# Allegro board visualscope2.0.brd (continued)
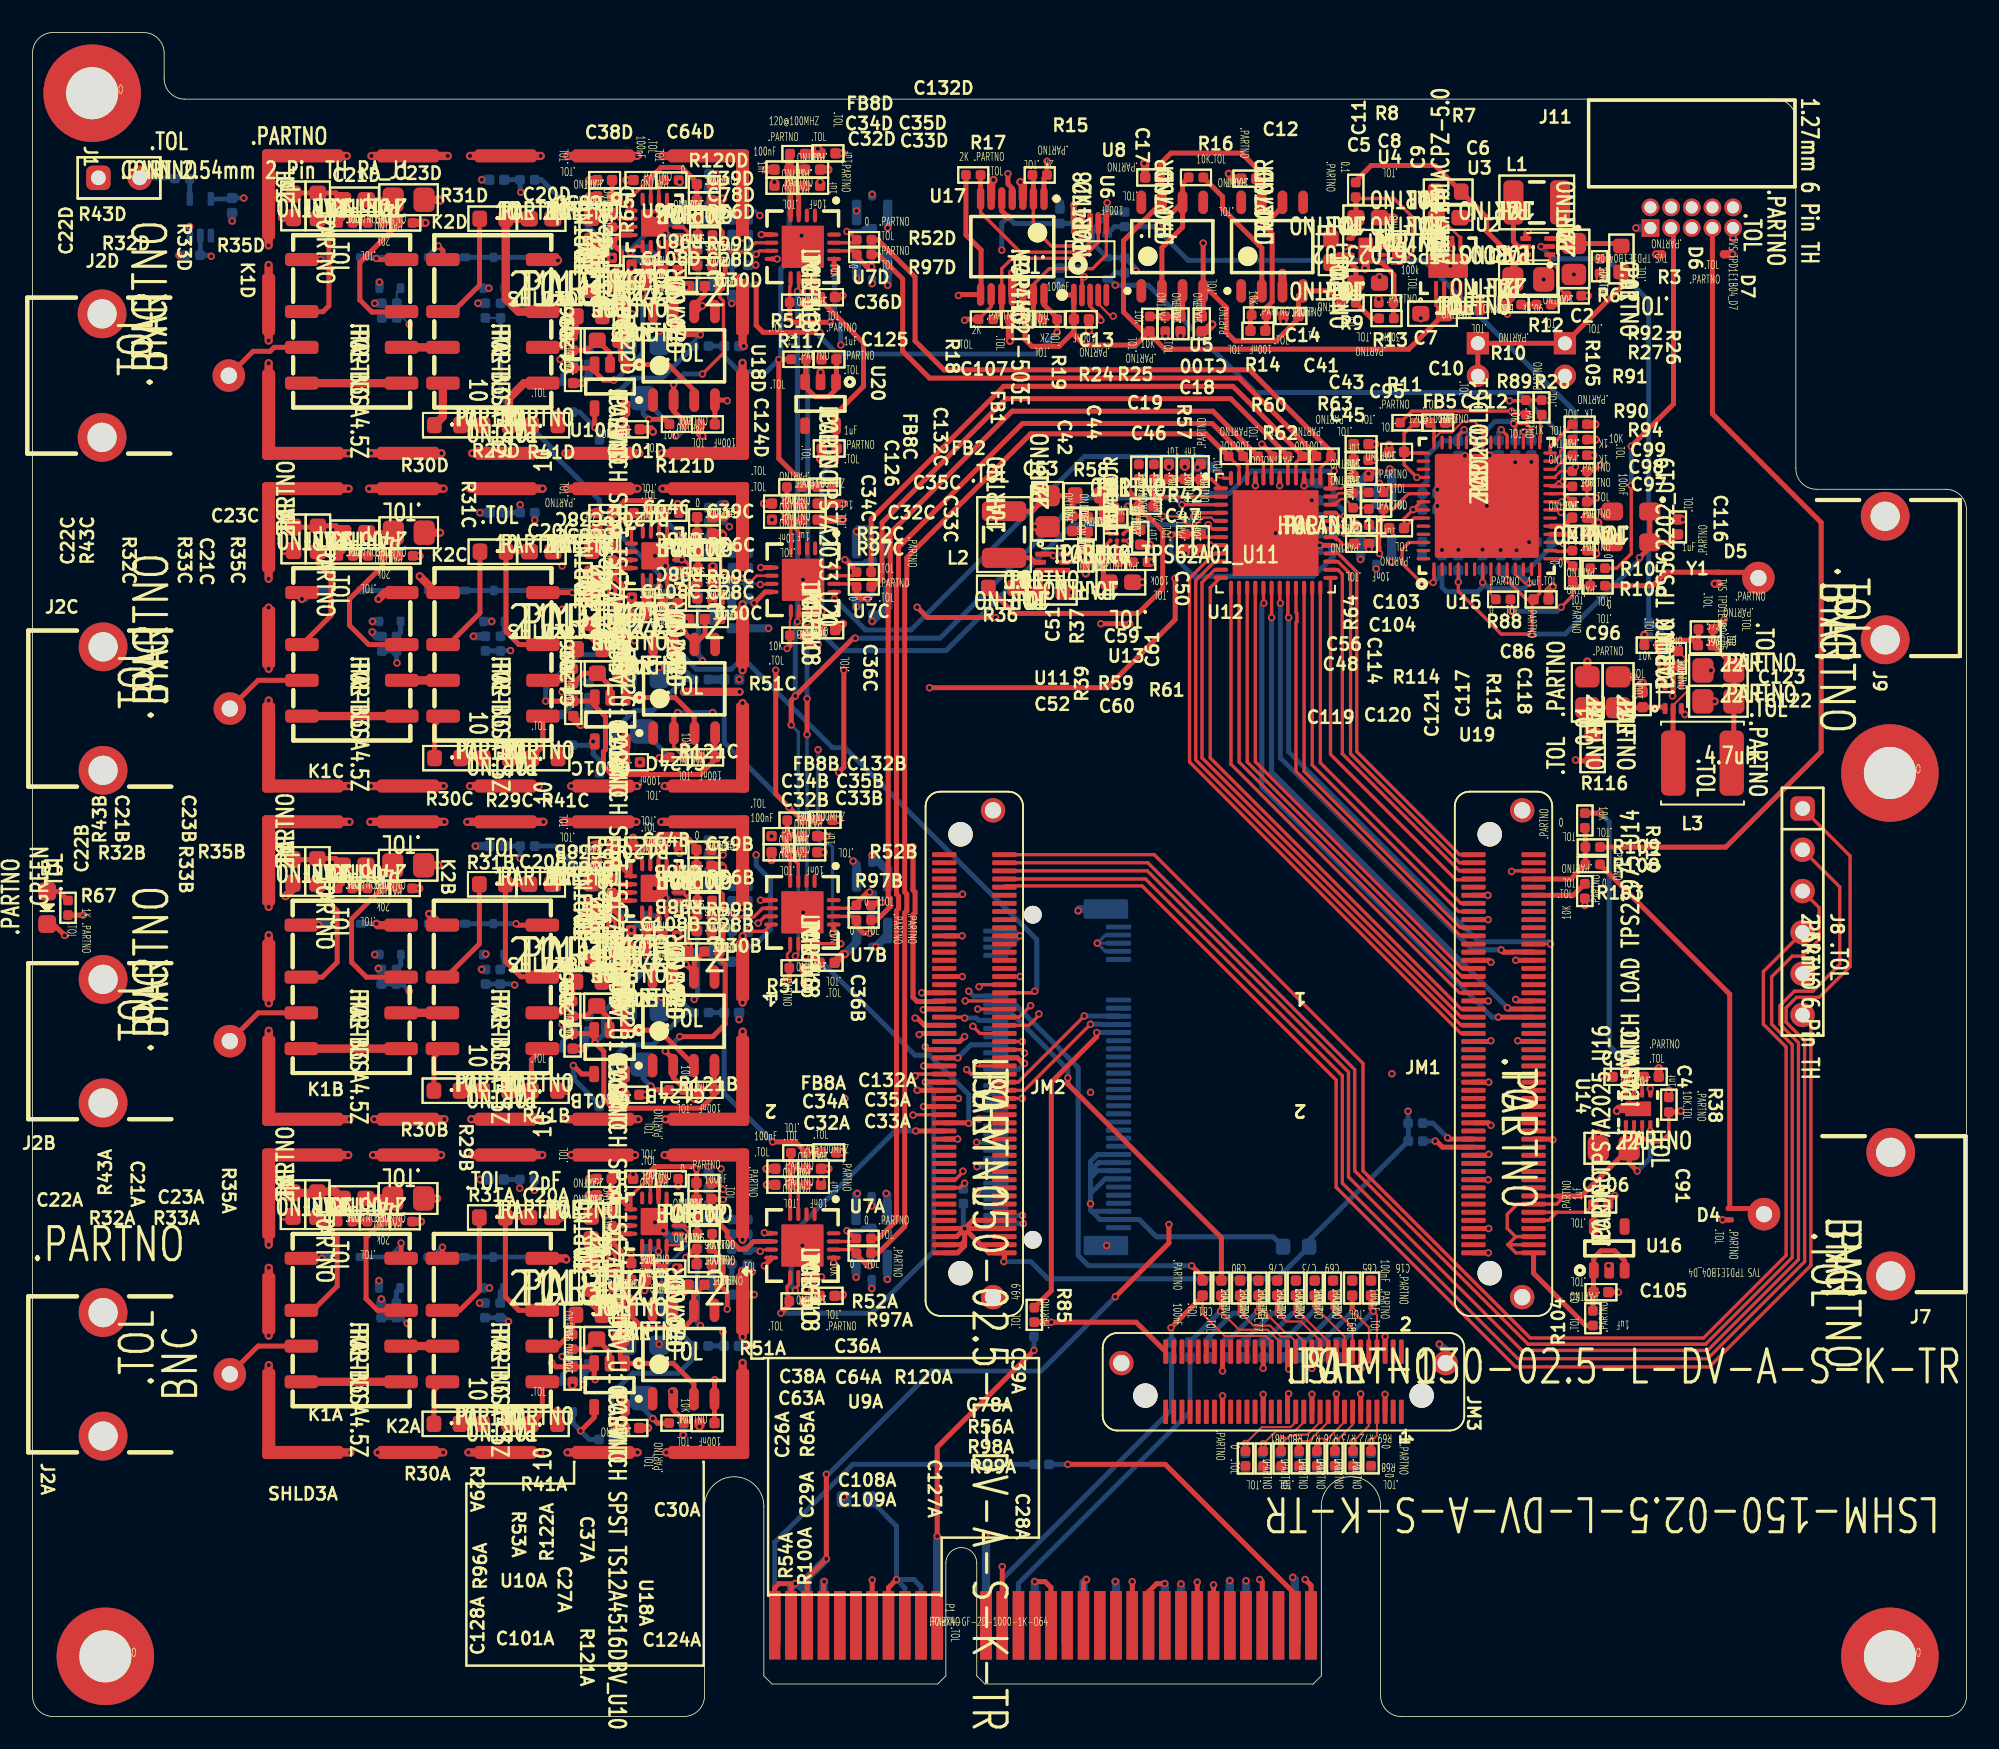
[diagram p0: board, top side]
## Nets (continued)
N00579_FRONT END_CH4: C21D.2 C22D.2 R32D.1 R43D.1
N012996_FRONT END_CH1: R55A.1 U9A.7
N012996_FRONT END_CH2: R55B.1 U9B.7
N012996_FRONT END_CH3: R55C.1 U9C.7
N012996_FRONT END_CH4: R55D.1 U9D.7
OUT_R_N_FRONT END_CH1: J3A.1(S) R97A.1 U7A.14
OUT_R_N_FRONT END_CH2: J3B.1(S) R97B.1 U7B.14
OUT_R_N_FRONT END_CH3: J3C.1(S) R97C.1 U7C.14
OUT_R_N_FRONT END_CH4: J3D.1(S) R97D.1 U7D.14
OUT_R_P_FRONT END_CH1: J4A.1(S) R52A.1 U7A.15
OUT_R_P_FRONT END_CH2: J4B.1(S) R52B.1 U7B.15
OUT_R_P_FRONT END_CH3: J4C.1(S) R52C.1 U7C.15
OUT_R_P_FRONT END_CH4: J4D.1(S) R52D.1 U7D.15
PCIE_PER_N0: C74.1
PCIE_PER_N1: C70.1
PCIE_PER_N2: C66.1
PCIE_PER_N3: C62.1
PCIE_PER_P0: C75.1
PCIE_PER_P1: C71.1
PCIE_PER_P2: C67.1
PCIE_PER_P3: C15.1
PCIE_PET_N0: R80.2
PCIE_PET_N1: R76.2
PCIE_PET_N2: R72.2
PCIE_PET_N3: R68.2
PCIE_PET_P0: R81.2
PCIE_PET_P1: R77.2
PCIE_PET_P2: R73.2
PCIE_PET_P3: R69.2
PER_N0_M.2_KEY_M: J10.42
PER_N0_PCIE_X4: P1.A17
PER_N1_M.2_KEY_M: J10.30
PER_N1_PCIE_X4: P1.A22
PER_N2_M.2_KEY_M: J10.18
PER_N2_PCIE_X4: P1.A26
PER_N3_M.2_KEY_M: J10.6
PER_N3_PCIE_X4: P1.A30
PER_P0_M.2_KEY_M: J10.44
PER_P0_PCIE_X4: P1.A16
PER_P1_M.2_KEY_M: J10.32
PER_P1_PCIE_X4: P1.A21
PER_P2_M.2_KEY_M: J10.20
PER_P2_PCIE_X4: P1.A25
PER_P3_M.2_KEY_M: J10.8
PER_P3_PCIE_X4: P1.A29
PERST#: JM3.60 R84.1 R85.1
PET_N0_M.2_KEY_M: J10.48
PET_N0_PCIE_X4: P1.B15
PET_N1_M.2_KEY_M: J10.36
PET_N1_PCIE_X4: P1.B20
PET_N2_M.2_KEY_M: J10.24
PET_N2_PCIE_X4: P1.B24
PET_N3_M.2_KEY_M: J10.12
PET_N3_PCIE_X4: P1.B28
PET_P0_M.2_KEY_M: J10.50
PET_P0_PCIE_X4: P1.B14
PET_P1_M.2_KEY_M: J10.38
PET_P1_PCIE_X4: P1.B19
PET_P2_M.2_KEY_M: J10.26
PET_P2_PCIE_X4: P1.B23
PET_P3_M.2_KEY_M: J10.14
PET_P3_PCIE_X4: P1.B27
PGA_CSN_1: JM2.43 R51A.1 U7A.9
PGA_CSN_2: JM2.53 R51B.1 U7B.9
PGA_CSN_3: JM2.63 R51C.1 U7C.9
PGA_CSN_4: JM2.68 R51D.1 U7D.9
PGOOD: JM1.29 R101.1
PROBE_COMP: JM2.65 R2.2 U1.2
PRSNT1#: P1.A1 R86.1
PRSNT2#_1: P1.B17
PRSNT2#_4: P1.B31 R86.2
REFINOUT: C96.2 R88.2 R106.2 R107.2
REFINOUT1: D5.1(K) J9.1(S) R106.1
REFINOUT2: D6.1(K) J11.3 R107.1
RESIN: JM2.17 R66.1
SCL: JM2.58 Q2.3(S) R21.1 R90.1 U15.24
SCL_5V: Q2.1 R23.1 U6.2 U17.4
SDA: JM2.56 Q1.3(S) R20.1 R91.1 U15.25
SDA_5V: Q1.1 R22.1 U6.3 U17.5
SMCLK: P1.B5
SMDAT: P1.B6
SPI_SCLK: JM2.33 U7A.11 U7B.11 U7C.11 U7D.11 U12.4
SPI_SDIO: JM2.31 U7A.10 U7B.10 U7C.10 U7D.10 U12.3
SYNC1: D4.1(K) J7.1(S) R108.1
SYNC2: D7.1(K) J11.7 R109.1
TCK: J8.4 JM2.100
TDI: J8.2 JM2.96
TDO: J8.3 JM2.98
TERM_1: JM2.41 R48A.2 R50A.2
TERM_2: JM2.51 R48B.2 R50B.2
TERM_3: JM2.61 R48C.2 R50C.2
TERM_4: JM2.66 R48D.2 R50D.2
TEST: R111.2 U15.21
TMS: J8.1 JM2.94
TRIM1: C131A.1 FB7A.1 R15.1 U17.1
TRIM2: C131B.1 FB7B.1 R17.1 U17.8
TRIM3: C131C.1 FB7C.1 R18.1 U17.9
TRIM4: C131D.1 FB7D.1 R19.1 U17.14
VOUT1: R15.2 U6.9 U17.2
VOUT2: R17.2 U6.8 U17.7
VOUT3: R18.2 U6.7 U17.10
VOUT4: R19.2 U6.6 U17.13
WAKE#: P1.B11
N00005: C96.1 U15.15
N00009: C2.2 L1.1 R3.1 U2.3
N00011: R59.1 R61.2 U13.B1
N00013: C60.2 R59.2 U13.A1(VOUT)
N00017: L1.2 U2.5
N00021: C99.1 U15.19
N00027: C4.2 U14.6
N00055: R10.1 R12.2
N00061: R12.1 R105.2 U2.1
N00069: C134.2 U7A.13 U7B.13 U7C.13 U7D.13 U12.48(VCM)
N00071: C117.2 U19.4
N00073: C117.1 L3.1 U19.2
N00081: C118.1 R113.1 R114.2 U19.6
N00103: C9.1 U4.7
N00105: C9.2 U4.8
N00107: C11.2 U4.3
N00109: R11.1 R13.2 U4.5
N00119: P1.A32
N00125: C8.2 R8.2 U4.1 U4.6
N00131: C5.2 R9.1 R11.2 U4.4(VOUT)
N00141: C6.2 R7.2 U3.5 U3.7 U3.8
N00165: P1.B12
N00175: R1.2 U1.4
N00189: R88.1 U15.8
N00205: JM2.48 R28.2 R89.1
N00207: JM2.46 R42.1 U12.2
N00213: C10.2 U3.4
N00223: C52.2 R36.2 U11.3(VIN) U11.4
N00225: J1.2 R1.1
N00227: L2.1 U11.2
N00231: P1.B30
N00253: JM1.94 R108.2 R109.2 R110.2
N00257: C51.1 R37.1 R39.2 U11.5
N00285: C59.2 R58.2 U13.A2 U13.B2
N00309: J10.53 JM2.44
N00311: J10.51 JM2.42
N00313: J10.49 R85.2
N00315: C80.1 J10.54
N00317: C81.1 J10.56
N00319: P1.A11 R84.2
N00321: C40.1 P1.A14
N00323: C79.1 P1.A13
N00365: D1.2 R67.1
N00501: C125.2 R117.2 U20.1 U20.3
N00543: C19.2 R24.1 R25.2 U8.3
N00579: C100.2 R14.1 R16.2 U5.2
N01029: C105.2 R104.2 U16.1 U16.3

Pads without a net: FB1 1 2; FB2 1 2; FB3 1 2; J10 1 7 9 11 21 23 25 27 29 31 33 35 37 39 41 43 45 47 55 57 67 68 75; JM1 3 5 8 9 11 13 15 17 18 20 21 22 23 24 26 28 31 32 34 35 36 37 38 39 40 41 42 44 45 46 47 48 49 50 51 52 56 58 66 68 70 72 75 77 80 82 84 86 88 91 92 98 100; JM2 6 9 11 12 13 14 15 16 18 20 21 22 23 24 25 26 27 28 30 32 34 36 38 67 71 72 73 74 75 76 77 78 81 82 83 84 85 86 87 88 90 91 93 95 97 99; JM3 1 2 3 4 31 33 37 38 39 40 41 42 43 44 47 48 49 50 51 52 53 54 55 56 57 58 59; R124A 1; R124B 1; R124C 1; R124D 1; U1 1; U5 1 5 8; U6 5; U7A 1 2 16; U7B 1 2 16; U7C 1 2 16; U7D 1 2 16; U8 1 5 8; U9A 9 13 16; U9B 9 13 16; U9C 9 13 16; U9D 9 13 16; U11 6; U15 2 3 5 6 9 12 13 20 34 35 37 38 40 41 44 45 52 53 55 56; U16 4; U18A 1 5 8; U18B 1 5 8; U18C 1 5 8; U18D 1 5 8; U20 4

## Via types
v1: diameter 0.457, hole 0.254, TOP to BOTTOM, 794 vias

## Routing (per net, layer and track width the routed paths; a pad name or vN(x,y) marks a point on that pad's centre or on a via; arc(x,y) is an arc through that point)
+1V8A: length 25.6
  TOP w0.152: U12.36 80.55,75.55 C45.2
  TOP w0.203: U12.32 80.19,73.55 80.72,73.02 v1(80.72,72.79) 81.24,73.31 C56.2 ; C46.2 72.54,76.13 U12.1
  TOP w0.305: C42.2 C44.2 C46.2 v1(71.88,75.69) ; v1(80.09,76.62) 79.87,76.41 U12.36 ; C41.2 C43.2 C45.2
  PWR3 w0.305: v1(80.72,72.79) 80.09,73.42 v1(80.09,76.62)
  BOTTOM w0.305: v1(80.09,76.62) 75.01,76.62 73.62,75.24 72.33,75.24 v1(71.88,75.69) ; C54.2 C55.2 v1(80.72,72.79)
+1V8APLL: length 54
  TOP w0.127: U15.31 91.73,79 v1(91.77,79.04)
  TOP w0.203: U15.49 85.43,74.73 v1(84.95,74.25) ; U15.4 87.73,69.79 v1(87.73,69.79) 87.73,69.23 90.37,66.59 v1(92.28,66.59) 92.28,68.64 C86.1 ; U15.10 v1(90.73,69.91) 91.92,68.73 C86.1 ; U15.39 87.73,78.81 v1(88.09,79.16) ; U15.14 92.73,69.1 C86.1 ; U15.50 84.97,74.23 v1(84.95,74.25) ; v1(84.95,74.25) 84.39,73.69 C114.1 85.02,73.73 U15.51 ; v1(90.37,79.16) 90.73,78.8 U15.33
  TOP w0.305: C116.1 100.75,72.23 Y1.4 ; Y1.4 99.51,71.92 v1(98.88,71.29) ; Y1.4 Y1.1
  PWR3 w0.305: v1(84.95,74.25) 84.95,72.57 v1(87.73,69.79)
  PWR4 w0.305: v1(91.77,79.04) 90.5,79.04 v1(90.37,79.16)
  BOTTOM w0.305: v1(90.37,79.16) 90.22,79.01 C84.1 88.74,78.51 v1(88.09,79.16) 88.09,79.15 87.72,78.78 C83.1 86.72,78.48 85.8,77.57 85.8,75.99 85.52,75.71 C82.1 C115.1 v1(84.95,74.25) ; v1(98.88,71.29) 98.88,71.16 94.31,66.59 v1(92.28,66.59) ; C85.1 92.23,78.58 v1(91.77,79.04) ; C87.1 90.33,70.31 v1(90.73,69.91) ; C89.1 v1(87.73,69.79)
+1V8D: length 18.4
  TOP w0.203: C48.2 80.94,72.14 v1(80.72,71.93) 80.55,72.1 80.55,72.2 80.34,72.41 80.24,72.41 80.09,72.55 U12.30 ; U12.7 72.07,72.55 C47.2
  TOP w0.305: C47.2 C50.2 70.11,72.74 v1(70.05,72.69)
  BOTTOM w0.305: v1(80.72,71.93) 80.57,71.77 C49.2 80.04,71.37 78.82,70.15 71.45,70.15 70.05,71.54 v1(70.05,72.69)
+1V92: length 7.1
  TOP w0.305: 64.13,75.1 R58.1 ; 64.13,75.1 63.98,74.95 C51.2 64.9,73.85 R37.2 ; 64.13,75.1 C53.2 61.51,74.15 L2.2
+2V5: length 6.9
  TOP w0.203: JM1.12 93.79,31.02 ; 93.79,31.02 93.29,30.52 JM1.10 ; 93.79,31.02 95.56,31.02 C106.2
  TOP w0.305: C106.2 96.07,31.47 U16.5
+3V3: length 331.6
  TOP w0.127: v1(80.72,73.83) 80.47,73.83 80.25,74.05 U12.33
  TOP w0.203: U14.8 98.04,39.26 C92.2 98.54,38.94 U14.7 ; v1(96.21,74.97) 95.97,74.73 R94.1 R90.2 R91.2 96.08,76.61 v1(96.47,77.01) ; R89.2 91.79,80.18 91.13,80.18 v1(91.01,80.31) 84.87,80.31 FB5.1 ; U13.C2 67.39,73.01 C61.2
  TOP w0.305: v1(24.97,90.47) 25.25,90.19 K2D.1 ; C61.2 68.05,73.12 68.05,74.43 ; R42.2 68.05,74.81 v1(67.39,75.48) ; R42.2 v1(67.4,74.45) ; R42.2 68.05,74.43 ; R36.1 60.39,67.86 68.02,67.86 69.54,69.39 69.54,72.94 68.05,74.43 ; C92.2 98.12,39.37 v1(98.12,40.18) ; K2A.1 v1(25.23,28.87) ; R110.1 v1(96.47,55.57) ; K1D.1 v1(17.73,89.63) ; K1A.1 v1(17.81,28.19) ; R67.2 v1(3.12,49.3)
  TOP w0.508: K2B.1 25.09,48.69 v1(24.4,49.38) ; K1B.1 v1(17.6,48.69) ; K2C.1 24.83,69.15 v1(23.82,70.15) ; K1C.1 v1(16.58,68.75)
  PWR3 w0.305: v1(67.89,88.94) 67.89,75.99 v1(67.39,75.48) ; v1(96.47,77.01) 97.36,76.12 97.36,56.46 v1(96.47,55.57) ; v1(17.73,89.63) 16.58,88.48 v1(16.58,68.75) 16.58,49.71 v1(17.6,48.69) 17.6,28.39 v1(17.81,28.19)
  PWR4 w0.203: 24.21,49.32 24.27,49.38 v1(24.4,49.38) ; 13.61,92.8 34.17,92.8 34.57,93.2 40.03,93.2 40.35,92.88 50.24,92.88 50.49,93.13 50.88,93.13 51.13,92.88 63.31,92.88 63.89,93.46 65.8,93.46 v1(66.13,93.12)
  PWR4 w0.305: v1(24.97,90.47) 23.57,89.07 18.29,89.07 v1(17.73,89.63) 16.79,89.63 v1(13,93.42) ; v1(3.12,49.3) 3.19,49.23 20.82,49.23 20.9,49.32 24.21,49.32 22.94,48.05 18.24,48.05 v1(17.6,48.69) ; v1(23.82,70.15) 18.35,70.15 16.95,68.75 v1(16.58,68.75) ; v1(67.4,74.45) 67.79,74.85 69.16,74.85 69.42,75.1 76.91,75.1 77.29,75.48 77.29,75.61 77.93,76.24 78.56,76.24 80.72,74.08 v1(80.72,73.83) 81.86,73.83 84.15,76.12 84.15,77.39 87.07,80.31 v1(91.01,80.31) 92.28,80.31 95.58,77.01 v1(96.47,77.01) ; v1(25.23,28.87) 24.54,28.19 v1(17.81,28.19)
  BOTTOM w0.127: D2D.1 17.89,89.63 v1(17.73,89.63) ; 17.98,48.69 18.01,48.72 D2B.1 17.69,48.77 v1(17.6,48.69) 17.98,48.69
  BOTTOM w0.305: R44.2 67.6,74.25 v1(67.4,74.45) ; D3D.1 24.4,89.9 v1(24.97,90.47) ; R20.2 67.14,92.5 Q1.2 ; v1(98.12,40.18) 97.02,41.28 97.02,55.03 v1(96.47,55.57) ; D3C.1 24.4,69.57 v1(23.82,70.15) ; D3B.1 v1(24.4,49.38) ; R111.1 R93.1 95.92,74.68 v1(96.21,74.97) ; v1(67.89,88.94) 67.89,89.07 67.25,89.71 R21.2 67.16,89.75 Q2.2 65.23,90.65 65.23,91.48 66.13,92.38 Q1.2 ; U1.5 12.22,93.36 C1.1 v1(13,93.42) ; v1(25.23,28.87) 24.62,28.26 D3A.1 ; C58.2 C57.2 80.72,74.14 v1(80.72,73.83) ; Q1.2 v1(66.13,93.12) ; D2C.1 17.36,69.27 16.84,68.75 v1(16.58,68.75) ; v1(17.73,89.63) 17.87,89.77 D2D.1
+3V3_IN: length 115.4
  TOP w0.127: U14.4 v1(99.54,36.01)
  TOP w0.203: U14.1 98.04,35.16 C91.2 98.54,35.25 U14.2 ; JM1.6 91.28,29.52 ; 91.28,29.52 91.25,29.52 90.74,30.03 90.74,30.89 91.37,31.52 JM1.14 93.78,31.52 94.06,31.79 93.83,32.02 JM1.16 ; 91.28,29.52 90.78,29.02 ; 57.36,30.02 v1(57.35,30.02) ; 90.78,29.02 91.28,28.52 JM1.2 ; 90.78,29.02 JM1.4
  TOP w0.305: v1(57.35,30.02) 57.35,29.25 ; v1(57.35,30.02) 56.86,29.52 JM2.5 ; v1(57.35,30.02) 57.35,30.02 JM2.7 ; v1(57.35,30.02) 58.35,29.02 ; 57.35,29.25 57.35,28.95 56.92,28.52 JM2.1 ; 57.35,29.25 57.12,29.02 JM2.3 ; 93.83,32.02 95.31,32.02 C91.2 98.24,34.06 v1(98.74,33.56) ; JM2.8 57.36,30.02 57.86,30.52 JM2.10 ; R104.1 95.57,24.05 92.36,27.26 JM1.2 ; 58.35,29.02 JM2.4 ; 58.35,29.02 58.85,28.52 JM2.2 59.8,28.02 v1(59.77,27.98)
  PWR3 w0.305: v1(49.93,13.5) 49.93,18.15 v1(59.77,27.98)
  PWR4 w0.305: v1(84.64,37.24) 96.23,37.24 97.46,36.01 v1(99.54,36.01)
  BOTTOM w0.127: R87.2 v1(49.93,13.5)
  BOTTOM w0.305: v1(57.35,30.02) 57.28,30.09 R66.2 ; v1(99.54,36.01) 99.54,34.36 v1(98.74,33.56) ; v1(59.77,27.98) 61.42,27.98 62.47,26.93 76.58,26.93 R95.2 78.55,29.3 R102.2 84.65,36.49 R101.2 v1(84.64,37.24)
+3V3_M2: length 46.4
  PWR3 w0.305: v1(65.1,31.54) 66.2,32.64 66.2,46.89 v1(65.51,47.57)
  BOTTOM w0.203: J10.71 v1(65.51,47.57) ; v1(65.51,47.57) 66.01,48.08 J10.73 ; v1(65.51,47.57) 66.01,47.08 J10.69
  BOTTOM w0.305: 65.1,33.14 65.53,33.57 J10.15 ; 65.1,33.14 65.1,32.17 ; 65.1,33.14 65.1,33.57 ; 65.18,31.08 65.68,30.57 J10.3 68.1,30.57 69.16,29.51 76.34,29.51 R95.1 ; 65.18,31.08 65.1,31.16 v1(65.1,31.54) 65.1,32.17 ; 65.18,31.08 J10.5 ; J10.13 66,33.08 65.1,32.17 ; J10.19 65.53,34.57 65.1,34.14 65.1,33.57 ; 65.1,33.57 65.6,34.08 J10.17
+3V3_PCIE: length 15.7
  TOP w0.305: v1(53.16,8.43) 52.67,7.93 P1.B8
  BOTTOM w0.305: R87.1 53.16,11.72 v1(53.16,8.43) ; v1(53.16,8.43) 53.67,7.92 P1.A9 ; v1(53.16,8.43) 54.24,8.43 54.67,7.99 P1.A10
+3V3_PGA: length 73.8
  TOP w0.203: U7D.12 48.15,87.99 48.21,87.93 48.21,87.57 C36D.2 ; U7C.12 48.16,67.15 C36C.2 ; C36A.2 48.12,26.19 U7A.12 v1(48.54,27.05) ; C36B.2 48.12,46.69 U7B.12 49.73,47.55 v1(49.73,47.54)
  TOP w0.305: C36A.2 48.12,25.56 R51A.2 ; v1(49.92,64.37) 49.92,58.4 v1(49.61,58.08) ; v1(48.34,65.96) 47.83,65.96 47.5,66.28 R51C.2 48.16,66.52 C36C.2 ; R51D.2 48.14,87 C36D.2 48.46,87.17 51.13,84.5 51.13,81.83 49.44,80.14 U20.5 49.44,78.05 C126.2 49.48,77.39 v1(49.22,77.13) ; U7C.12 v1(48.57,68.01) ; v1(47.47,45.15) R51B.2 48.12,46.06 C36B.2
  PWR3 w0.203: v1(49.73,47.54) 49.73,54.64 50.06,54.97 50.06,57.63 v1(49.61,58.08) ; v1(49.92,64.37) v1(48.34,65.96)
  PWR3 w0.305: v1(47.47,45.15) 47.47,44.98 47.57,44.87 47.57,29.76 48.54,28.79 v1(48.54,27.05)
  BOTTOM w0.305: v1(49.22,77.13) 48.57,76.48 v1(48.57,68.01)
+5V: length 218.6
  TOP w0.203: 86.86,86.31 86.36,86.81 U3.1 ; 86.86,86.31 C7.2 87.36,86.79 U3.3 ; 86.86,86.31 U3.2
  TOP w0.305: U17.12 60.94,86.09 C107.2 61.06,84.72 61.5,84.29 63.17,84.29 64.08,85.21 ; C132A.2 48.51,34.68 FB8A.2 47.57,34.72 46.94,35.35 v1(45.54,35.35) ; v1(45.73,64.37) 45.73,56.75 v1(46.56,55.92) 47.34,55.14 FB8B.2 48.28,55.14 C132B.2 ; R24.2 68.31,85.23 67.13,86.4 67.13,90.79 U8.7 69.49,94.57 C17.1 69.38,95.51 70.05,96.18 74.39,96.18 75.3,95.27 C12.1 75.64,94.27 U5.7 ; R24.2 67.89,84.37 64.72,84.37 64.08,85.01 64.08,85.21 ; R24.2 68.74,85.05 69.67,84.12 84.68,84.12 C7.2 ; 64.08,85.21 C13.2 64.07,85.97 U6.1 v1(63.19,87.46) ; R117.1 45.94,83.5 v1(45.92,83.48) 45.92,77.39 47.32,75.99 FB8C.2 48.26,75.63 C132C.2
  TOP w0.508: v1(48.32,96.45) 48.49,96.29 C132D.2 48.46,96.14 FB8D.2
  PWR3 w0.305: v1(42.49,23.67) 43.26,23.67 46.05,26.46 46.05,34.84 v1(45.54,35.35) 45.54,46.03 46.3,46.79 46.3,55.67 v1(46.56,55.92) 46.05,56.43 46.05,63.92 46.3,64.18 46.3,64.56 45.92,64.94 45.92,73.32 46.05,73.45 46.05,83.36 v1(45.92,83.48) ; v1(62.94,93.39) 63.19,93.13 v1(63.19,87.46)
  PWR4 w0.305: v1(63.19,87.46) 63.19,86.78 59.64,83.23 46.18,83.23 v1(45.92,83.48)
  BOTTOM w0.305: FB9D.1 C111D.2 42.57,83.66 43.51,82.72 45.16,82.72 v1(45.92,83.48) 46.05,83.61 46.05,89.07 46.56,89.58 46.56,94.69 v1(48.32,96.45) ; v1(42.49,23.67) 42.49,22.85 C111A.2 FB9A.1 ; v1(46.56,55.92) 42.57,59.91 C111C.2 ; v1(63.19,87.46) 63.22,87.48 R23.2 ; FB9B.1 C111B.2 42.55,38.34 v1(45.54,35.35)
  BOTTOM w0.508: FB9C.1 C111C.2 ; R22.2 63.22,93.11 v1(62.94,93.39)
+5V2: length 54.1
  TOP w0.305: v1(90.75,86.28) 90.7,86.33 R10.2 91.09,87.25 C3.2 91.09,89.14 ; R8.1 81.42,94.47 82.37,95.42 86.3,95.42 R7.1 89.48,92.23 89.48,91.36 91.09,89.75 91.09,89.14 ; v1(104.09,67.48) 103.5,66.9 R113.2 103.39,66.88 C118.2 104.68,64.62 C123.2 C122.2 104.68,58.78 L3.2 ; 91.09,89.14 U2.6
  PWR3 w0.305: v1(90.75,86.28) 94.56,86.28 104.09,76.75 v1(104.09,67.48)
+12V: length 6.6
  TOP w0.305: U19.1 100.36,62.09 C121.1 99.04,62.06 C120.2 C119.2 95.67,60.72 R116.2
+12V_PCIE: length 92.5
  TOP w0.305: P1.A3 47.67,8.52 v1(48.84,9.7) v1(48.84,14.9) ; P1.A2 46.67,7.9 v1(46.94,8.17) 45.92,8.17 45.67,7.92 P1.B1 ; v1(69.93,30.27) 69.93,29.13 v1(66.62,25.82) ; R116.1 95,58.79 v1(94.94,58.84)
  PWR3 w0.305: v1(94.94,58.84) 94.94,57.32 69.93,32.3 v1(69.93,30.27)
  BOTTOM w0.305: v1(48.84,14.9) 48.97,14.9 55.32,21.25 62.05,21.25 v1(66.62,25.82)
  BOTTOM w0.508: 47.67,7.6 P1.A3 ; 47.67,7.6 47.09,8.17 v1(46.94,8.17) 46.67,7.9 P1.A2 ; 47.67,7.6 47.67,8.52 v1(48.84,9.7)
-5V: length 129.4
  TOP w0.305: U8.4 72.03,86.23 C18.2 ; U8.4 72.43,87.7 73.48,86.66 73.48,85.13 73.99,84.63 76.52,84.63 77.89,86 C14.2 77.89,87.42 U5.4 79.8,87.7 R9.2 ; U8.4 v1(72.03,90.65)
  PWR3 w0.305: v1(29.98,32.5) 30.43,32.95 30.43,52.37 v1(30,52.79) v1(30,74.55) 30.05,74.59 v1(30.05,93.77)
  PWR4 w0.203: v1(72.03,90.65) 68.78,93.9 52.27,93.9 52.02,94.15 50.49,94.15 50.19,93.85 34.56,93.85 34.43,93.97 34.05,93.97 33.85,93.77 v1(30.05,93.77)
  BOTTOM w0.305: C133A.1 FB10A.1 v1(29.98,32.5) ; v1(30,74.55) FB10C.1 C133C.1 ; C133B.1 FB10B.1 v1(30,52.79) ; C133D.1 FB10D.1 30,93.81 v1(30.05,93.77)
GND: length 558.8
  TOP w0.127: v1(66.5,86.15) 66.34,86.15 65.57,86.91 U6.4 ; U9A.17 38.3,30.41 v1(38.3,30.4) ; C127C.1 39.61,68.51 38.84,67.73 v1(38.68,67.73)
  TOP w0.203: v1(44.14,48.43) 44.14,48.31 44.15,48.3 45.03,48.3 U7B.8 ; JM2.39 v1(56.97,38.02) ; v1(57.25,33.55) 57.25,33.49 56.78,33.02 JM2.19 ; C92.1 96.66,39.35 v1(96.6,39.41) ; JM2.70 v1(60.77,45.52) ; v1(57.35,42.97) 57.3,43.02 JM2.59 ; v1(61.42,43.73) 60.71,43.02 JM2.60 ; U13.C1 67.47,72.35 v1(67.51,72.31) ; JM2.40 v1(60.9,38.02) ; U12.8 v1(72.47,72.05)
  TOP w0.305: JM2.79 v1(57.2,48.02) ; v1(93.55,35.48) 93.5,35.52 JM1.30 ; JM1.74 v1(91.26,46.52) ; v1(92.02,91.36) 91.88,91.21 U2.4 ; JM1.54 91.44,41.52 v1(91.39,41.57) ; v1(61.67,8.3) 62.31,8.3 62.67,7.94 P1.B16 ; U7C.5 v1(44.81,70.68) ; C114.2 v1(83.47,72.73) ; v1(40.08,26.08) 40.36,26.36 C37A.1 ; U12.42 v1(76.74,75.72) ; U12.31 v1(79.32,73.05) ; C64A.1 v1(36.95,33.37) ; U7C.8 45.08,69.18 v1(44.4,68.5) ; R103.1 v1(95.52,49.89) ; v1(61.04,40.18) 60.95,40.18 60.61,40.52 JM2.50 ; P1.A4 48.67,8.25 v1(48.72,8.3) ; U11.1 62.72,71.51 v1(62.81,71.42) ; v1(42.49,32.43) 42.1,32.82 C39A.2 ; U7D.5 v1(44.84,91.17) ; v1(101.68,61.64) 101.45,61.86 U19.3 ; JM3.6 v1(83.22,23.38) ; JM1.63 v1(89.57,44.02) ; U7D.8 v1(45.82,89.67) ; P1.A18 64.67,8.25 v1(64.85,8.43) ; JM1.7 v1(89.6,30.02) ; C109D.2 v1(36.87,87.97) ; R120A.1 v1(39.73,32.65) ; JM3.46 v1(73.22,21.26) ; JM3.17 v1(80.22,19.84) ; v1(45.03,29.76) 45.07,29.72 U7A.5 ; P1.B26 v1(72.67,8.1) ; v1(77.29,21.38) 77.22,21.45 JM3.30 ; v1(42.49,31.79) 42.24,31.79 42.2,31.83 C78A.1 ; JM1.89 v1(89.55,50.52) ; P1.B22 68.67,7.68 69.16,8.17 69.67,8.17 v1(69.67,8.17) ; JM2.89 57.16,50.52 v1(57.23,50.59) ; v1(89.74,41.57) 89.69,41.52 JM1.53 ; C106.1 96.95,31.64 v1(97.36,32.05) ; U3.6 v1(87.36,90.31) ; v1(45.03,27.73) 45.45,28.14 U7A.8 ; JM3.45 v1(73.22,19.73) ; v1(36.91,86.28) 36.38,86.8 R122D.1 ; C105.1 v1(97.59,26.1) ; JM3.12 v1(81.72,21.39) ; JM3.5 v1(83.22,19.82) ; v1(89.74,46.4) 89.61,46.52 JM1.73 ; v1(71.68,76.85) 71.87,77.05 C46.1 ; U4.2 v1(80.76,90.43) ; v1(75.51,8.43) 75.67,8.27 P1.B29 ; C28A.2 v1(41.79,27.42) ; JM1.64 91.35,44.02 v1(91.26,44.11) ; JM1.25 89.55,34.52 v1(89.61,34.59) ; U7B.5 v1(44.79,50.22) ; U7D.17 47.4,90.9 47.32,90.98 v1(47.32,91.1) ; JM3.29 77.22,19.79 v1(77.29,19.86) ; C48.1 v1(82.24,71.81) ; JM2.29 v1(56.93,35.52) ; JM2.80 v1(60.75,48.02) ; JM3.24 v1(78.72,21.42) ; v1(89.74,36.37) 89.58,36.52 JM1.33 ; C127A.1 v1(39.6,27.63) ; U14.5 v1(99.54,38.63) ; C108D.1 v1(36.87,89.11) ; U12.45 v1(75.24,75.72) ; v1(96.98,27.73) 97.02,27.69 U16.2 ; JM3.23 v1(78.72,19.82) ; JM1.83 v1(89.57,49.02) ; P1.B32 78.67,8.07 v1(78.31,8.43) ; JM3.18 v1(80.22,21.39) ; C56.1 v1(82.24,73.45) ; JM2.49 v1(56.94,40.52) ; P1.B25 v1(71.67,8.26) ; U12.29 v1(79.2,72.05) ; C109A.2 v1(36.81,26.84) ; v1(35.76,25.44) 35.85,25.36 R122A.1 ; C108A.1 v1(36.84,28.43) ; JM3.35 v1(75.72,19.81) ; D4.2 v1(103.99,30.55) ; JM1.1 v1(89.58,28.52) ; JM2.69 v1(57.21,45.52) ; JM1.43 v1(89.6,39.02) ; P1.B13 v1(59.67,9.22) ; JM3.36 v1(75.72,21.42) ; JM1.19 v1(89.57,33.02) ; U12.39 v1(78.24,75.72) ; JM3.11 v1(81.72,19.84) ; P1.B21 v1(67.67,8.3) ; P1.B7 v1(51.67,8.4)
  TOP w0.381: v1(49.86,87.42) 49.76,87.32 C36D.1 ; U6.10 v1(64.07,93)
  TOP w0.508: v1(31.25,16.25) SHLD3A.6 v1(26.82,16.25) ; C128D.1 v1(33.78,82.03) ; C97.2 96.03,71.73 v1(96.21,71.54) ; v1(39.83,94.4) 39.76,94.48 R120D.1 ; v1(33.14,57.24) SHLD3C.7 v1(37.21,57.24) ; C132D.1 v1(49.85,96.17) ; C37C.1 40.24,67.35 v1(40.21,67.35) ; v1(31.14,57.24) SHLD3C.6 v1(26.92,57.24) ; C47.1 v1(71.88,71.49) ; v1(25.29,75.54) SHLD3C.15 v1(20.7,75.54) ; v1(37.23,16.25) SHLD3A.7 v1(32.91,16.25) ; v1(66.62,74.47) 66.62,74.21 66.88,73.96 C59.1 ; v1(25.56,96.01) SHLD3D.15 v1(20.86,96.01) ; C42.1 v1(69.93,76.88) ; v1(93.55,69.51) 93.28,69.25 C86.2 ; C32A.1 v1(45.19,32.71) ; C122.1 v1(103.5,62.45) ; v1(43.7,43.92) SHLD3B.10 v1(43.7,48.02) ; C22B.1 16.03,50.92 v1(15.57,50.46) ; C50.1 70.92,71.57 v1(70.94,71.54) ; v1(14.53,64.46) SHLD3C.2 v1(14.53,68.22) ; C20B.2 v1(31.99,51.82) ; v1(96.34,73.45) 96.21,73.45 95.91,73.75 C99.2 ; v1(43.76,84.31) 43.69,84.38 SHLD3D.10 43.69,88.49 v1(43.76,88.56) ; v1(37.28,36.74) SHLD3B.7 v1(32.85,36.74) ; C23C.1 v1(25.08,72.83) ; v1(38.18,79.04) 38.02,79.19 C101D.1 ; v1(36.65,67.48) 36.88,67.71 C109C.2 ; C101B.1 v1(37.72,38.25) ; R38.1 v1(100.69,38.5) ; C45.1 v1(82.21,76.46) ; C132C.1 49.2,75.84 v1(49.22,75.86) ; SHLD3C.4 v1(19.46,57.24) ; v1(25.35,36.74) SHLD3B.5 v1(21.03,36.74) ; SHLD3D.16 v1(19.33,96.01) ; C53.1 v1(61.67,73.2) ; U9D.17 v1(38.29,92.37) ; C28C.2 v1(41.82,68.46) ; Y1.2 v1(96.6,74.13) ; v1(60.78,94.4) 60.94,94.25 U17.3 ; C10.1 v1(89.07,87.26) ; v1(31.44,55.04) SHLD3B.14 v1(26.75,55.04) ; C63C.2 v1(34.33,73.03) ; v1(43.69,64.36) SHLD3C.10 v1(43.69,68.42) ; C33B.1 v1(48.68,53.17) ; SHLD3D.1 v1(14.53,90.5) ; R39.1 v1(64.81,70.31) ; C78D.1 42.38,93.27 v1(42.49,93.39) ; v1(20.95,34.54) SHLD3A.15 v1(25.14,34.54) ; C120.1 v1(98.47,63.96) ; R25.1 v1(69.7,84.91) ; C64D.1 v1(36.54,94.52) ; SHLD3B.4 v1(19.5,36.74) ; R35A.1 v1(23.9,30.45) ; v1(33.22,20.36) 33.24,20.38 C128A.1 ; SHLD3B.3 v1(14.54,42.19) ; C63A.2 v1(34.21,32.07) ; C127B.1 v1(39.7,48.05) ; R120C.1 39.77,74.52 v1(39.7,74.59) ; SHLD3D.8 v1(38.74,77.71) ; C107.1 v1(60.14,84.63) ; C128C.1 33.27,61.46 v1(33.73,61) ; R35C.1 v1(23.81,71.41) ; C61.1 v1(68.75,72.09) ; v1(41.86,47.8) 41.79,47.87 C28B.2 ; v1(37.23,75.54) SHLD3C.13 v1(32.9,75.54) ; v1(31.58,36.74) SHLD3B.6 v1(27,36.74) ; v1(31.37,34.54) SHLD3A.14 v1(27.05,34.54) ; SHLD3B.8 v1(38.93,36.74) ; v1(39.83,53.13) 39.73,53.23 R120B.1 ; SHLD3C.12 v1(38.76,75.54) ; v1(25.3,57.24) SHLD3C.5 v1(20.82,57.24) ; C32B.1 v1(45.48,52.69) ; R41C.1 v1(32.33,59.61) ; v1(49.86,25.95) 49.78,25.88 C36A.1 ; v1(43.66,27.42) 43.66,25.43 SHLD3A.10 v1(43.7,23.35) ; R13.1 v1(82.84,87.21) ; SHLD3A.9 v1(43.7,21.76) ; C124C.2 40.84,59.25 v1(40.84,59.35) ; C35D.1 v1(48.97,95.17) ; C12.2 73.91,94.61 v1(73.61,94.91) ; C78B.1 42.41,52.33 v1(42.49,52.24) ; v1(40.21,87.93) 40.31,87.93 C37D.1 ; SHLD3A.4 v1(19.56,16.25) ; SHLD3B.12 v1(38.69,55.04) ; v1(32.72,55.04) SHLD3B.13 v1(37.16,55.04) ; v1(26.92,96.01) SHLD3D.14 v1(31.27,96.01) ; C101A.1 v1(37.87,17.75) ; C33D.1 v1(48.47,94.4) ; C34C.1 v1(45.01,74.62) ; v1(33.14,34.54) SHLD3A.13 v1(37.08,34.54) ; SHLD3B.11 v1(43.69,49.77) ; v1(42.49,72.69) 42.39,72.79 C78C.1 ; R26.1 v1(96.04,77.59) ; C132A.1 v1(49.85,34.7) ; SHLD3C.16 v1(19.45,75.54) ; C124A.2 v1(41.04,17.82) ; R122B.1 v1(36.4,45.86) ; C132B.1 v1(49.61,55.16) ; v1(31.39,75.54) SHLD3C.14 v1(26.93,75.54) ; SHLD3B.9 v1(43.7,42.14) ; C109B.2 v1(36.47,47.36) ; R61.1 v1(68.88,71.01) ; C112.2 87.25,79.6 v1(87.45,79.8) ; SHLD3A.3 v1(14.54,21.62) ; R122C.1 36.93,66.32 v1(37.03,66.21) ; C124D.2 41.07,78.94 v1(41.22,78.78) ; C33A.1 v1(48.52,33.06) ; R35B.1 v1(23.8,50.95) ; C36B.1 49.89,46.91 v1(49.99,46.91) ; C19.1 v1(70.64,84.93) ; SHLD3D.11 v1(43.69,90.98) ; v1(72.59,85.64) 72.17,85.22 C18.1 ; v1(85.42,86.02) 85.42,86.02 C7.1 ; v1(32.79,77.71) SHLD3D.7 v1(37.34,77.71) ; U3.9 v1(87.25,89.25) ; SHLD3C.1 v1(14.53,70) ; C23B.1 v1(24.97,52.37) ; C34D.1 v1(45.16,95.17) ; C63B.2 v1(34.29,52.57) ; C5.1 v1(82.88,88.56) ; C39D.2 42.35,94.27 v1(42.49,94.4) ; v1(32.92,96.01) SHLD3D.13 v1(37.21,96.01) ; SHLD3C.3 v1(14.53,62.51) ; C23D.1 25.04,93.31 v1(25.09,93.26) ; C11.1 79.9,91.55 v1(79.83,91.61) ; C125.1 v1(48.55,83.82) ; C22A.1 v1(15.46,30.76) ; SHLD3A.11 v1(43.69,29.33) ; C32D.1 v1(45.65,94.4) ; C121.2 v1(99.07,63.61) ; C28D.2 v1(41.81,88.86) ; C8.1 v1(83.77,92.21) ; C34A.1 v1(45.16,33.7) ; R41B.1 v1(32.87,38.5) ; C60.1 v1(68.29,69.78) ; C38A.2 v1(34.25,33.08) ; SHLD3A.8 v1(38.99,16.25) ; v1(21.23,16.25) SHLD3A.5 v1(25.28,16.25) ; C126.1 48.56,77.49 v1(48.46,77.39) ; U4.9 82.04,89.12 v1(81.99,89.07) ; C36C.1 49.47,66.83 v1(49.86,67.23) ; C13.1 v1(65,85.26) ; R27.1 v1(96.19,78.56) ; C22C.1 v1(15.49,71.72) ; C37B.1 v1(40.36,47.51) ; v1(14.53,84.65) SHLD3D.2 v1(14.53,89.3) ; v1(97.48,37.25) 97.61,37.38 U14.9 ; v1(40.72,38.02) 41.04,38.34 C124B.2 ; v1(38.3,30.4) 38.26,30.44 U9A.17 ; C4.1 v1(100.07,39.88) ; R92.1 v1(96.16,79.5) ; R114.1 v1(99.18,66.55) ; C35B.1 v1(48.83,54.16) ; C6.1 v1(88.51,92.21) ; SHLD3D.9 v1(43.69,83.28) ; C123.1 v1(103.28,64.36) ; v1(35.64,69.26) C29C.1 ; C33C.1 v1(49.86,73.63) ; R6.2 v1(96.43,88.47) ; v1(31.37,77.71) SHLD3D.6 v1(27.05,77.71) ; v1(14.54,27.6) SHLD3A.2 v1(14.54,23.43) ; U5.3 v1(76.91,88.82) ; U7B.17 v1(47.42,49.47) ; v1(42.75,73.96) 42.57,73.78 C39C.2 ; C52.1 v1(63.96,69.16) ; SHLD3B.1 v1(14.53,49.81) ; SHLD3A.12 v1(38.89,34.54) ; R41D.1 v1(32.32,80.17) ; R105.1 v1(95.69,87.41) ; SHLD3D.3 v1(14.53,83.25) ; v1(14.54,43.88) SHLD3B.2 v1(14.54,48.07) ; U20.2 v1(48.49,82.7) ; v1(25.17,77.71) SHLD3D.5 v1(20.83,77.71) ; SHLD3D.12 v1(38.76,96.01) ; U17.11 v1(60.29,88.82) ; v1(25.35,55.04) SHLD3B.15 v1(20.78,55.04) ; C119.1 v1(95.67,64.9) ; v1(49.86,74.59) 49.83,74.62 C35C.1 ; SHLD3D.4 v1(19.43,77.71) ; C128B.1 v1(33.71,41.09) ; C63D.2 v1(34.24,93.52) ; C95.2 v1(83.47,78.24) ; SHLD3B.16 v1(19.5,55.04) ; v1(36.52,73.58) 36.98,74.03 C64C.1 ; SHLD3C.9 v1(43.69,62.35) ; C38B.2 v1(34.43,53.57) ; C17.2 68.46,95.49 v1(68.4,95.55) ; C43.1 v1(82.58,77.31) ; C116.2 v1(101.55,73.64) ; C64B.1 v1(36.95,54.07) ; C20A.2 v1(32.54,30.7) ; SHLD3A.16 v1(19.43,34.54) ; C35A.1 v1(48.97,33.7) ; D7.2 v1(104.6,89.96) ; C38C.2 v1(34.32,74.03) ; C127D.1 v1(39.7,88.81) ; C44.1 v1(70.9,76.88) ; SHLD3A.1 v1(14.53,29.02) ; U17.6 58.99,94.39 v1(59.13,94.53) ; R41A.1 v1(32.3,18.8) ; C22D.1 v1(15.36,92.21) ; C14.1 v1(76.97,85.83) ; D6.2 v1(99.9,89.96) ; C91.1 v1(96.34,35.86) ; C23A.1 v1(24.89,31.87) ; R35D.1 v1(24.18,91.89) ; C41.1 v1(82.63,78.28) ; v1(40.08,63.04) v1(43.51,63.04) ; C39B.2 v1(41.77,53.72) ; SHLD3C.8 v1(38.89,57.24) ; SHLD3C.11 v1(43.69,70.35) ; C38D.2 v1(34.25,94.52) ; C20D.2 v1(32.33,92.14) ; D5.2 v1(103.5,69.69)
  BOTTOM w0.203: C102B.1 v1(36.47,47.36)
  BOTTOM w0.305: v1(56.94,40.52) 57.74,41.33 J10.46 ; v1(60.96,30.32) 60.7,30.32 60.69,30.33 J10.2 ; v1(58.11,38.27) 58.24,38.27 58.3,38.33 J10.34 ; J10.70 60.06,47.33 60.56,47.83 ; J10.74 60.45,48.33 v1(60.75,48.02) 60.56,47.83 ; J10.40 60.69,39.83 v1(61.04,40.18) ; J10.72 60.56,47.83 ; U1.3 v1(9.67,91.66) ; v1(58.24,36.75) 58.32,36.82 J10.28 ; J10.22 v1(58.09,35.33) ; J10.16 v1(58.12,33.82) ; C134.1 v1(71.68,76.85) ; J10.52 58.22,42.83 58.07,42.97 v1(57.35,42.97) ; J10.10 v1(58.14,32.33) ; v1(57.61,44.62) 57.9,44.33 J10.58 ; J10.4 v1(60.91,30.82)
  BOTTOM w0.508: J3D.4 v1(50.7,88.48) ; C129D.2 41.86,88.81 v1(41.81,88.86) ; C131D.2 v1(43.03,86.94) ; C133C.2 v1(27.53,74.06) ; v1(99.18,66.55) 99.31,66.42 R115.2 ; P1.A20 66.67,8.25 v1(66.62,8.3) ; J3C.2 52.62,68.34 v1(51.66,67.38) J3C.3 ; C130A.2 v1(41.6,33.83) ; v1(21.28,46.02) 21.34,45.96 R49B.1 ; v1(49.99,46.91) 50.7,47.62 J3B.4 ; v1(33.78,82.03) 33.9,82.15 Q5D.3 34.23,82.44 R127D.1 ; R123C.1 v1(40.07,59.73) ; C130B.2 41.62,53.88 v1(41.77,53.72) ; v1(38.81,29.89) 39.35,29.35 C110A.2 ; J4B.2 50.7,52.41 v1(50.49,52.62) ; v1(33.71,41.09) 33.77,41.15 Q5B.3 34.01,41.24 34.01,41.95 R127B.1 ; J6.4 83.64,76.63 v1(83.51,76.75) ; J6.3 v1(82.68,76.61) ; v1(44.14,48.43) 44.02,48.3 C31B.2 ; C87.2 v1(90.33,71.76) ; C49.1 79.12,71.97 v1(79.2,72.05) ; C94.2 v1(92.09,72.24) ; v1(41.79,27.42) 41.79,26.52 C129A.2 ; v1(20.9,66.72) 21.18,66.45 R49C.1 ; C110C.2 39.36,70.36 v1(38.94,70.78) ; J3A.2 v1(52.6,26.9) ; v1(51.64,31.41) J4A.3 ; C55.1 79.12,72.85 v1(79.32,73.05) ; R49A.1 v1(21.46,25.68) ; P1.A31 77.67,8.43 v1(77.55,8.55) ; Q3A.3 v1(21.32,26.81) ; J3A.3 v1(51.64,26.33) ; C31A.2 44.01,27.62 v1(44.27,27.35) ; v1(39.57,78.78) 40.06,79.27 R123D.1 ; C84.2 v1(89.66,77.59) ; J5.2 v1(83.64,71.04) ; R50D.1 v1(27.41,86.94) ; v1(41.86,47.8) 41.85,47.79 C129B.2 42.39,46.43 C131B.2 ; JM3.61 86.95,22.52 v1(86.56,22.9) ; P1.A24 v1(70.67,8.15) ; J4A.2 50.68,32.1 v1(50.75,32.17) ; J6.2 81.72,75.97 v1(82.21,76.46) ; C85.2 v1(92.23,77.18) ; R2.1 v1(9.03,89.9) ; J4D.4 v1(52.62,91.58) ; v1(33.73,61) 33.92,61.2 Q5C.3 34.23,61.95 R127C.1 ; Q3B.3 v1(21.06,46.87) ; v1(44.4,68.5) 44.12,68.77 C31C.2 ; Q3C.3 v1(20.92,67.37) ; C57.1 v1(78.71,74.82) ; C93.2 v1(91.31,71.75) ; R123A.1 v1(40.04,17.32) ; J3D.2 v1(52.62,88.05) ; Q4D.3 v1(28.07,87.87) ; P1.A28 v1(74.67,8.34) ; J3B.2 52.62,48.09 v1(51.89,47.35) J3B.3 ; J3A.4 v1(50.68,27.02) ; v1(36.88,68.84) 36.84,68.8 C102C.1 ; P1.A27 v1(73.67,8.36) ; J11.9 v1(104.64,90.94) ; C113.2 v1(89.22,71.79) ; C111D.1 v1(43.76,84.31) ; R127A.1 34.2,21.47 33.91,21.18 Q5A.3 v1(33.91,20.42) ; J3C.4 v1(50.7,68.29) ; v1(52.53,32.17) 52.6,32.1 J4A.4 ; R50C.1 v1(27.13,66.46) ; C111B.1 v1(43.47,42.88) ; v1(38.94,50.34) 38.97,50.34 39.45,49.86 C110B.2 ; v1(41.82,68.46) 41.89,68.4 C129C.2 ; R124C.3 v1(38.58,64.54) ; v1(27.89,46.91) 27.86,46.87 Q4B.3 ; J4D.2 v1(50.7,92.63) ; R46.2 71.91,71.52 v1(71.88,71.49) ; v1(40.72,38.02) 40.18,38.55 R123B.1 ; C110D.2 39.31,90.86 v1(38.94,91.23) ; J4C.3 50.85,73.04 v1(50.7,72.9) ; J4B.4 52.62,52.02 v1(51.66,52.98) J4B.3 ; C133D.2 v1(27.65,94.54) ; R124D.3 v1(38.58,85.24) ; C102A.1 v1(36.81,26.84) ; C58.1 78.4,75.88 v1(78.24,75.72) ; v1(38.68,44.24) 38.58,44.14 R124B.3 ; P1.A18 64.67,8.25 v1(64.85,8.43) ; C88.2 v1(91.23,77.16) ; J4D.3 v1(51.66,93.64) ; R124A.3 v1(38.55,22.9) ; C130D.2 v1(42.09,94.89) ; C111A.1 v1(44.12,22.8) ; v1(64.34,49.57) 64.44,49.68 J10.77 ; P1.A15 v1(61.67,8.3) ; R49D.1 v1(21.06,86.94) ; C1.2 v1(12.28,92) ; C131A.2 v1(44.4,25.95) ; C131C.2 v1(45.29,66.94) ; v1(58.62,11.09) 58.67,11.05 P1.A12 ; v1(98.67,91.57) J11.1 ; v1(50.7,72.9) 51.56,72.04 J4C.4 ; v1(50.7,72.9) J4C.2 ; C31D.2 v1(44.5,89.3) ; P1.A4 48.67,8.25 v1(48.72,8.3) ; J5.4 v1(81.72,71.18) ; v1(36.87,87.97) 36.84,87.99 C102D.1 ; C133A.2 v1(27.53,33.04) ; C83.2 v1(88.13,77.56) ; Q3D.3 v1(21.35,88.24) ; J3D.3 v1(51.66,88.16) ; C54.1 v1(78.61,73.78) ; Q4A.3 v1(28.11,26.36) ; v1(42.62,74.59) 42.37,74.59 42.14,74.37 C130C.2 ; C89.2 v1(87.73,71.77) ; Q4C.3 v1(28.25,67.37) ; P1.A23 v1(69.67,8.17) ; C82.2 v1(86.44,75.48) ; J10.76 v1(66.09,28.98) ; C115.2 v1(86.44,74.47) ; C90.2 v1(86.73,71.76) ; J5.3 v1(82.68,70.61) ; R50A.1 v1(27.52,25.44) ; C133B.2 v1(27.25,53.55) ; R50B.1 v1(27.63,45.96)
  vias: v1(32.03,71.66) v1(35.65,89.74) v1(35.62,48.8) v1(35.62,28.3) v1(36.84,48.38) v1(37.38,58.71) v1(38.3,71.41) v1(38.26,50.95) v1(43.49,63.8) v1(45.5,73.63) v1(45.48,54.16) v1(47.41,69.93) v1(47.37,28.97) v1(76.49,72.8) v1(89.48,74.48) v1(92.99,88.41) v1(94.29,82.48) v1(94.84,88.72)
